# Altium PCB Lancelot.PcbDoc (part 2 of 14)
Units mil, origin at the board's own origin, x right, y up, seen from the top; angles counter-clockwise.
Board outline 4837.61 x 3252.61 mil, 6 copper layers (Top Layer, Mid-Layer 1, Mid-Layer 2, Mid-Layer 3, Mid-Layer 4, Bottom Layer); 372 components, 275 nets, 2062 pads, 1350 vias.
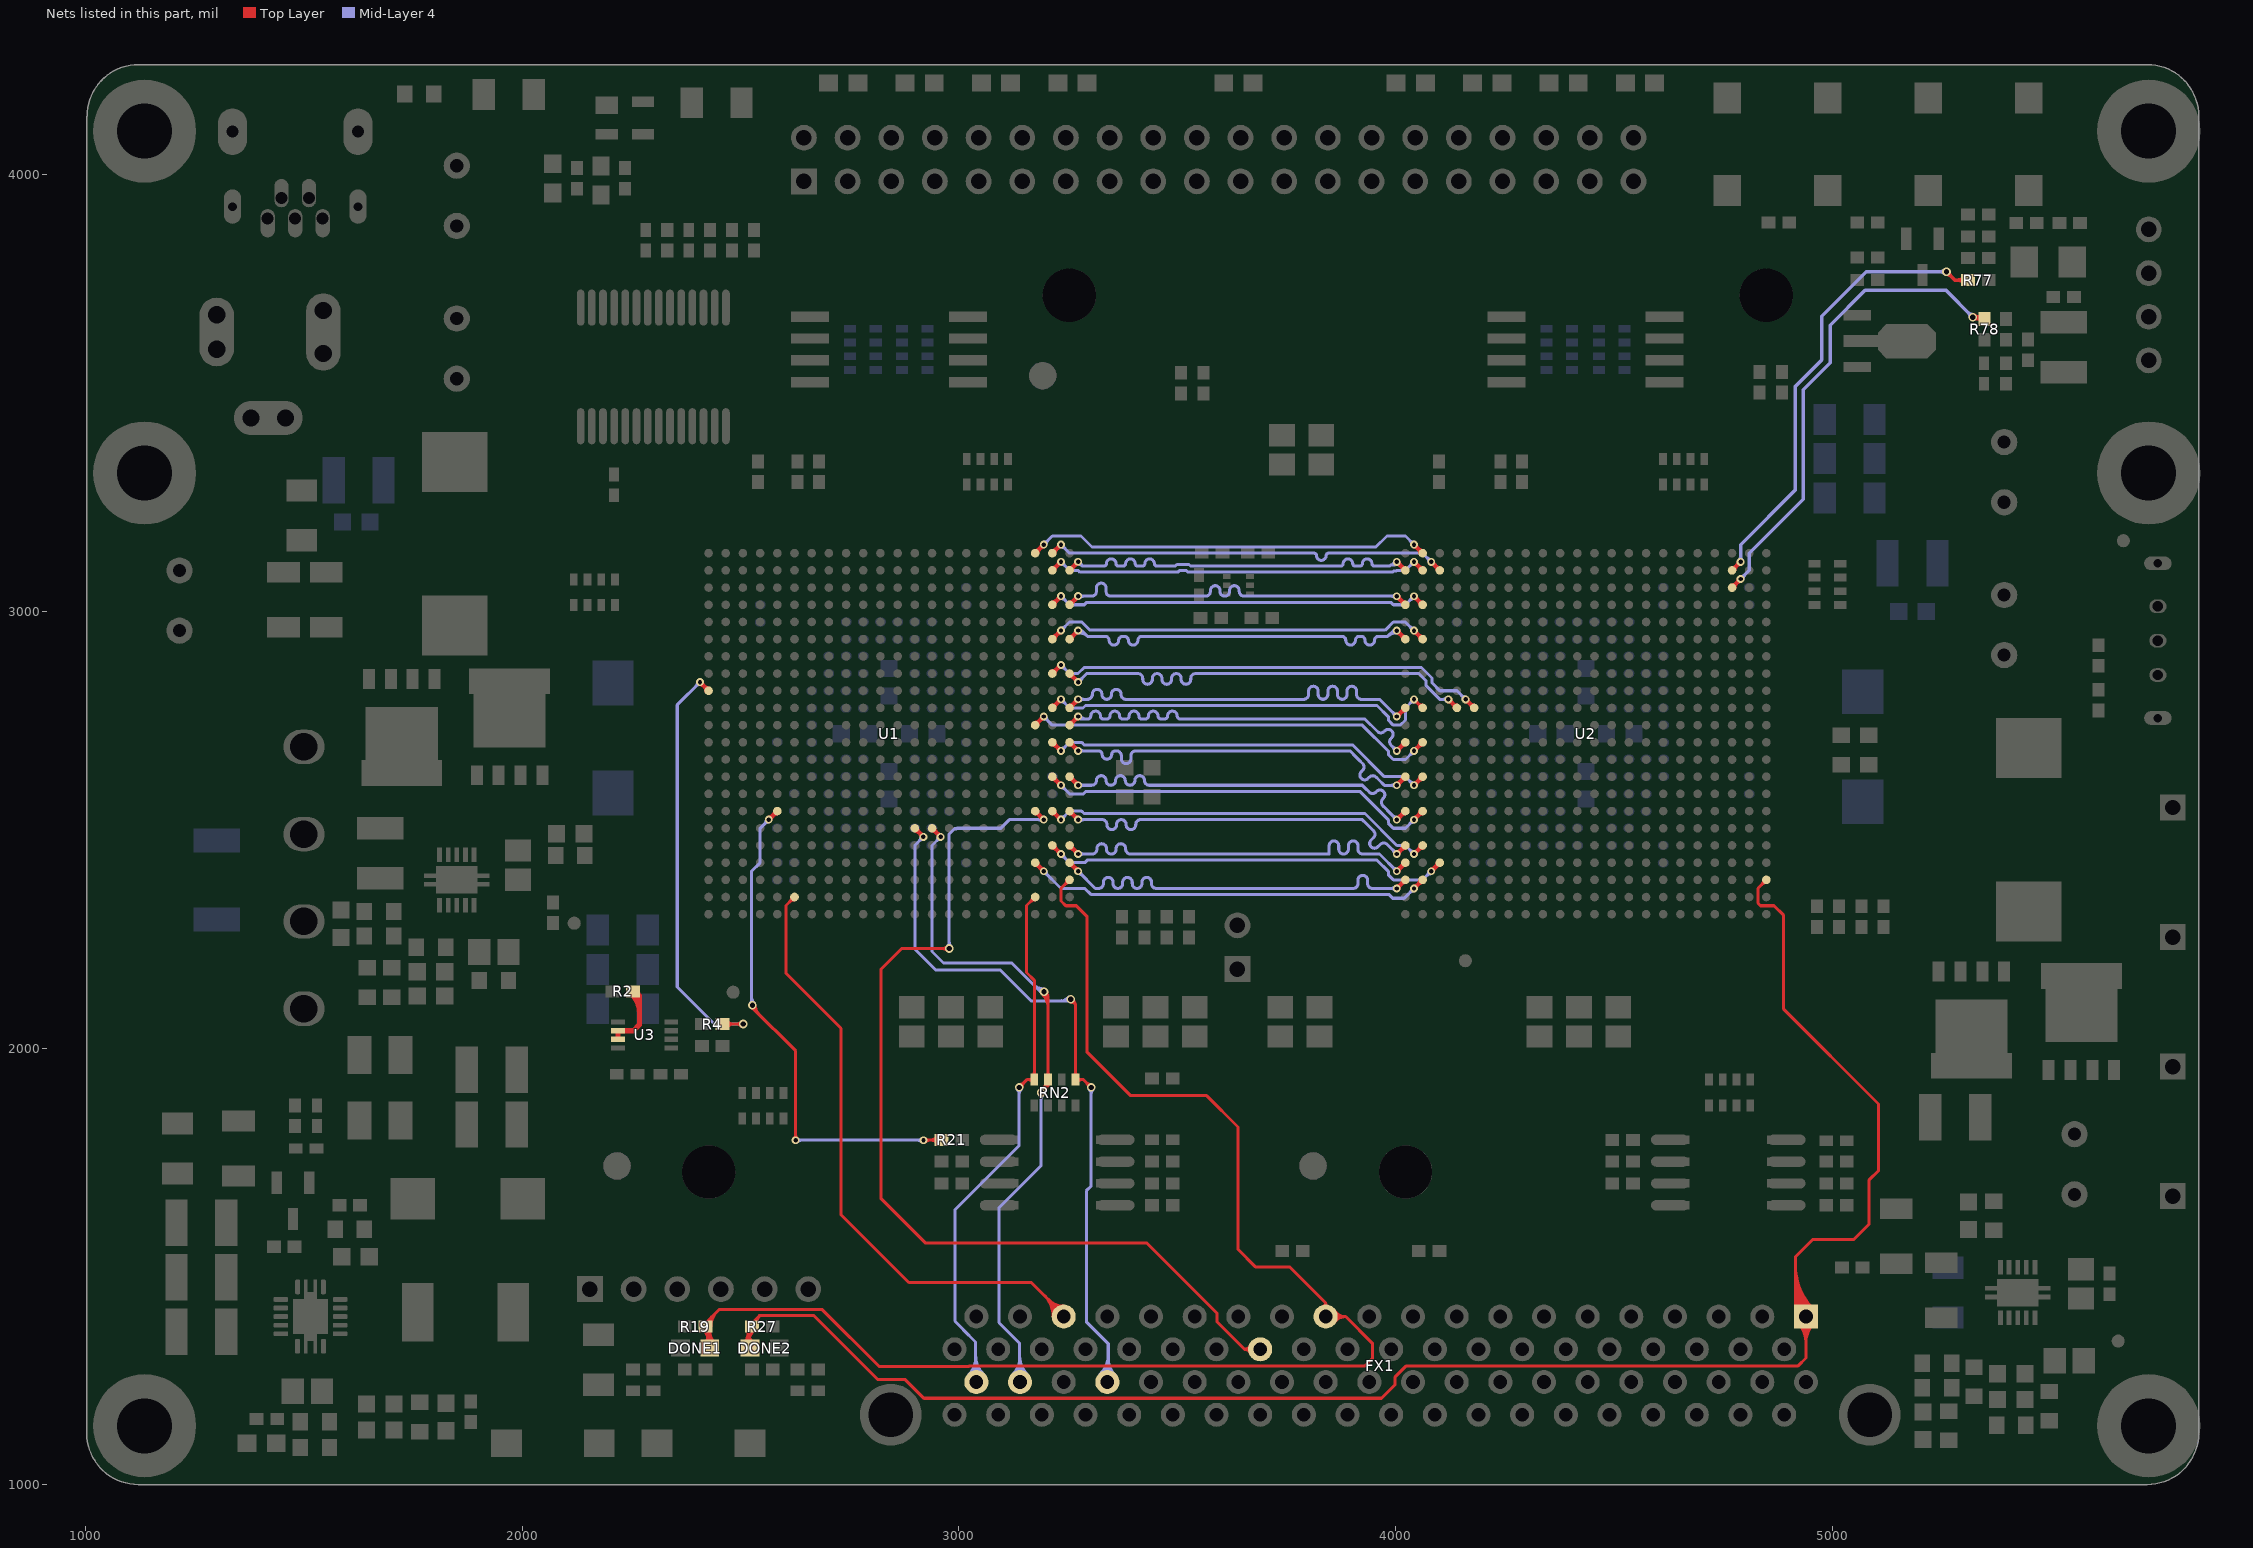
[diagram p6: the nets of this part, all layers, seen from the top]

## Footprints (in the part's own frame and the unit in brackets; to place one, negate y for a bottom-side part, rotate by r counter-clockwise, add the part's x,y. Pads: shape width x height; smd on the part's side, far side on the other; paste and mask are expansions set on the pad) (continued)
VQFN-14 [mm]
  rrect50% 0.85x0.28 smd paste+0.07 mask+0.07: 1(-1.725,-0.75) 7(1.725,-0.75) 8(1.725,0.75) 14(-1.725,0.75)
  rrect50% 0.28x0.85 smd paste+0.07 mask+0.07: 2(-1,-1.725) 3(-0.5,-1.725) 4(0,-1.725) 5(0.5,-1.725) 6(1,-1.725) 9(1,1.725) 10(0.5,1.725) 11(0,1.725) 12(-0.5,1.725) 13(-1,1.725)
  rect 0.725x0.2 smd paste+0.07 mask+0.07: 15(-1.788,-0.275) 15(-1.788,0.275) 15(1.788,-0.275) 15(1.788,0.275)
  rect 2.85x0.749 smd paste+0.05 mask+0.05: 15(0,0)
  rect 2.05x2.05 smd paste+0.07 mask+0.07: 15(0,0)
  silkscreen extent -2.92,-2.92 2.5,2.5
WSOP8 [mm]
  rect 0.5x0.889 smd: 1(-1.905,-2.701) 2(-0.635,-2.701) 3(0.635,-2.701) 4(1.905,-2.701) 5(1.905,2.701) 6(0.635,2.701) 7(-0.635,2.701) 8(-1.905,2.701)
  oval 0.6x2.2 smd: 1(-1.905,-3.4) 2(-0.635,-3.4) 3(0.635,-3.4) 4(1.905,-3.4) 5(1.905,3.4) 6(0.635,3.4) 7(-0.635,3.4) 8(-1.905,3.4)
  Top Layer lines w0.254: 1.905,-2.701 1.905,-2.625 ; 0.635,-2.701 0.635,-2.625 ; -0.635,-2.701 -0.635,-2.625 ; -0.635,2.625 -0.635,2.701 ; -1.905,2.625 -1.905,2.701
  silkscreen extent -3.56,-4.01 2.75,1.9, body extent -2.75,-2.73 2.75,2.73, height 2.13

## Part data
1_IDLE 2_IDLE DONE1 DONE2 HOT PWR_OK RX_1 RX_2 RXD1 TX_1 TX_2 TXD1 VALID VALID: library part LED3, "Typical BLUE SiC LED"
12V: "Low Voltage Power Supply Connector"
BATT1: "Header, 2-Pin"
C1 C2 C3 C4 C5 C6 C7 C8 C9 C11 C12 C13 C16 C17 C18 C19 C20 C21 C22 C24 C25 C26 C29 C30 C31 C32 C33 C34 C35 C36 C37 C38 C39 C40 C41 C42 C43 C44 C45 C46 C47 C48 C49 C50 C51 C52 C53 C54 C55 C56 C57 C58 C60 C61 C62 C63 C64 C65 C67 C68 C69 C70 C71 C72 C73 C74 C75 C76 C77 C78 C79 C80 C81 C82 C83 C84 C85 C86 C87 C88 C89 C90 C91 C92 C93 C94 C95 C96 C97 C98 C99 C100 C101 C102 C103 C104 C105 C106 C107 C108 C109 C110 C111 C112 C113 C114 C115 C116 C117 C118 C119 C120 C121 C122 C123 C124 C125 C126 C127 C128 C129 C130 C131 C132 C133 C134 C136 C137 C138 C139 C140 C141 C142 C143 C144 C145 C146 C147 C148 C149 C150 C151 C152 C153 C154 C155 C156 C157 C158 C159 C160 C161 C162 C163 C164 C165 C166 C167 C168 C169 C170 C181 C182 C183 C184 C185 C186 C187: library part "Cap Semi", "Capacitor (Semiconductor SIM Model)"
C10 C14 C15 C23 C27 C28: library part "Cap Pol1", "Polarized Capacitor (Radial)"
C59 C66 C135: library part "Cap Pol3", "Polarized Capacitor (Surface Mount)"
C171 C177 C178 C180: library part C0603, "Ceramic Chip Capacitor - Standard"
C172 C173 C174 C175 C176: library part C1210, "Ceramic Chip Capacitor - Standard"
C179: library part C0805, "Ceramic Chip Capacitor - Standard"
D1: "High Conductance Fast Diode"
F1 F3: "Fuse"
F2: library part "Fuse 2"
FAN1 P2: "Header, 4-Pin"
FB1 FB2 FB3 FB4 FB5 R1 R2 R3 R4 R5 R6 R7 R8 R9 R10 R11 R12 R13 R14 R15 R16 R17 R18 R19 R20 R21 R22 R23 R24 R25 R26 R27 R28 R29 R30 R31 R32 R33 R34 R35 R36 R37 R38 R39 R40 R41 R42 R43 R44 R45 R46 R47 R48 R49 R50 R51 R52 R53 R54 R55 R56 R57 R58 R59 R60 R61 R62 R63 R64 R65 R66 R67 R68 R69 R70 R71 R72 R73 R74 R75 R76 R77 R78 R79 R80 R81 R82 R83 R84 R85 R86 R87 R88 R89 R90 R91 R92 R93 R94 R95 R96 R97 R98 R99 R100: library part Res3, "Resistor"
JTAG1: "Header, 6-Pin"
L1 L2 L3: library part Inductor, "Inductor"
P1: "Header, 20-Pin, Dual row"
PROG1 PROG2 RST_1 RST_2 SET_1 SET_2: "Switch"
Q1 Q2 Q3 Q4: library part HAT216X
Q5 Q7: library part 2N7002, "N-channel Enhancement Mode Field-effect Transistor"
Q6: library part PNP, "PNP Bipolar Transistor"
RN1 RN2 RN3 RN4 RN5 RN6 RN7 RN8 RN9 RN10 RN11: library part RES4PACK
S1: "SPDT Subminiature Toggle Switch, Right Angle Mounting, Vertical Actuation"
S2 S3: "DIP Switch"
U1 U2: "Spartan-6 LX 1.2V FPGA, 338 User I/Os, 484-Ball Fine-Pitch BGA (1.0mm Pitch), Speed Grade 3N, Commercial Grade"
U11: library part SR05
USB1: "USB On-The-Go (OTG) Mini-B Receptacle, Right Angle, Thru-Hole, 0.80mm (.031\") Pitch, Solder Tails & Shell Tabs with Dimples"
Y1: "Surface Mount Quartz Crystal"

## Free pads (board coordinates)
  round 236.22 hole 125.98: 0(1135,1135) 0(1135,3317) 0(1135,4100) 0(5725,1135) 0(5725,3317) 0(5725,4100)
  round 122.05 hole 122.05: 0(2427,1716) 0(3253,3724) 0(4023,1716) 0(4849,3724)

## Via types
v1: diameter 18, hole 10, Top Layer to Bottom Layer, tented both sides, 625 vias
v2: diameter 20, hole 12, Top Layer to Bottom Layer, tented both sides, 515 vias
v3: diameter 32, hole 18, Top Layer to Bottom Layer, tented both sides, 191 vias
v4: diameter 23.62, hole 11.81, Top Layer to Bottom Layer, tented bottom, 10 vias
v5: diameter 19.68, hole 11.81, Top Layer to Bottom Layer, tented bottom, 4 vias
v6: diameter 118.11, hole 118.11, Top Layer to Bottom Layer, tented bottom, 2 vias
v7: diameter 78.74, hole 78.74, Top Layer to Bottom Layer, tented bottom, 2 vias
v8: diameter 50, hole 28, Top Layer to Bottom Layer, tented both sides, 1 vias

## Nets (pads, with @x,y where several pads share a name; then routed paths per layer and width w, separated by ;. In a path a pad name is that pad's centre, name@x,y a point inside that pad or via, vN(x,y) a via of type N, cw(c..) or ccw(c..) an arc to the next point about the centre after c; other vN are vias at no path point)
CLK: R2.1 U3.6 U3.7 | length 220
  Top Layer w10: R2.1@2251.65,2130 R2.1@2253.62,2130
  Top Layer w12: U3.7@2218.98,2020.16 U3.6@2218.98,2039.84 2254.84,2039.84 2268.62,2053.62 R2.1@2268.62,2120 ; R2.1@2250.09,2124.5 cw(c2205.35,2079.76) 2268.62,2079.76 ; R2.1@2258.57,2132.98 cw(c2234.32,2108.73) 2268.62,2108.73
DONE1: DONE1.1 FX1.23 R19.2 U1.Y22 | length 3656.7
  Top Layer w7: R19.2@2414.32,1354.73 cw(c2377.76,1318.17) DONE1.1@2429.46,1318.17 ; DONE1.1@2418.02,1324.44 ccw(c2390.39,1352.07) 2429.46,1352.07 ccw(c2468.54,1352.07) DONE1.1@2440.91,1324.44 ; DONE1.1@2419.23,1326.92 ccw(c2413.9,1335.9) 2423.99,1338.6 ccw(c2439.13,1342.66) DONE1.1@2433.41,1328.07 ; R19.2@2419.27,1359.68 cw(c2394.66,1335.07) 2429.46,1335.07 ; DONE1.1@2422.97,1319.49 ccw(c2407.29,1335.17) 2429.46,1335.17 ccw(c2451.64,1335.17) DONE1.1@2435.96,1319.49 ; R19.2@2424.87,1362 cw(c2456.85,1362) 2434.24,1384.62 ; DONE1.1@2429.46,1313 2429.46,1352.16 R19.2@2419.62,1362 2419.62,1370 2450.62,1401 2687,1401 2817,1271 3023.47,1271 3024.65,1272.18 3930.18,1272.18 3947,1289 3947,1324 3885.88,1385.12 ; R19.2@2431.87,1362 cw(c2480.75,1362) 2446.19,1396.57 ; U1.Y22@3247.04,2385.35 cw(c3231.73,2385.35) 3242.56,2374.53 cw(c3253.39,2363.7) U1.Y22@3253.39,2379.01 ; U1.Y22@3253.39,2385.35 3234,2365.97 3234,2337 3245,2326 3269,2326 3293,2302 3293,1991.38 3393.38,1891 3567.38,1891 3639,1819.38 3639,1539 3679,1499 3757.18,1499 3840,1416.18 ; FX1.23@3833.99,1408.41 ccw(c3831.98,1416.18) 3840,1416.18 ; FX1.23@3846.01,1408.41 cw(c3848.02,1416.18) 3840,1416.18 ; FX1.23@3854.03,1375.42 cw(c3872.53,1362.63) 3872.53,1385.12 cw(c3872.53,1407.61) FX1.23@3854.03,1394.82 ; FX1.23@3859.79,1371.44 cw(c3885.88,1353.4) 3885.88,1385.12 ; FX1.23@3859.79,1398.8 ccw(c3885.88,1416.83) 3885.88,1385.12 ; 3840,1416.18 FX1.23@3840,1385.12 3885.88,1385.12
DONE2: DONE2.1 FX1.1 R27.2 U2.Y22 | length 4812.5
  Top Layer w7: DONE2.1@2508.12,1324.44 ccw(c2487.81,1344.76) 2516.54,1344.76 ; DONE2.1@2516.54,1313 R27.2@2516.54,1352.16 ; DONE2.1@2516.54,1318.17 cw(c2568.24,1318.17) R27.2@2531.68,1354.73 ; 2516.54,1335.07 cw(c2551.34,1335.07) R27.2@2526.73,1359.68 ; 2516.54,1337.89 ccw(c2538.82,1337.89) DONE2.1@2525.19,1320.27 ; R27.2@2526.38,1362 R27.2@2516.54,1352.16 ; R27.2@2526.38,1370 2544.38,1388 ; DONE2.1@2529.47,1325.8 cw(c2549.85,1352.16) R27.2@2516.54,1352.16 ; R27.2@2531.51,1362.88 cw(c2547.96,1367.44) 2535.89,1379.51 ; R27.2@2538.25,1364.75 cw(c2561.26,1371.12) 2544.38,1388 ; U2.Y22@4843.04,2385.28 cw(c4827.72,2385.28) 4838.55,2374.46 cw(c4849.38,2363.63) U2.Y22@4849.38,2378.94 ; U2.Y22@4849.38,2385.28 4830.04,2365.94 4830.04,2331.96 4836,2326 4867,2326 4889,2304 4889,2089 5106,1872 5106,1719 5084,1697 5084,1596 5050,1562 4956,1562 4915.61,1521.61 4915.61,1409.51 FX1.1@4940,1385.12 4940,1290 4922.18,1272.18 4024.65,1272.18 3998.47,1246 3998.47,1228.47 3968.06,1198.06 2919.71,1198.06 2877.29,1240.48 2814.52,1240.48 2667,1388 2544.38,1388 ; 4915.61,1417.59 ccw(c4972.48,1417.59) FX1.1@4932.26,1377.38 ; 4915.61,1434.49 ccw(c4989.38,1434.49) FX1.1@4937.21,1382.33 ; 4915.61,1451.39 ccw(c5006.28,1451.39) FX1.1@4942.16,1387.28 ; 4915.61,1468.29 ccw(c5023.17,1468.29) FX1.1@4947.11,1392.23 ; 4915.61,1485.19 ccw(c5040.07,1485.19) FX1.1@4952.06,1397.18 ; 4915.61,1502.09 ccw(c5056.97,1502.09) FX1.1@4957.01,1402.13 ; FX1.1@4922.99,1368.11 cw(c4881.92,1327.03) 4940,1327.03 cw(c4998.08,1327.03) FX1.1@4957.01,1368.11 ; FX1.1@4927.94,1373.06 cw(c4898.82,1343.93) 4940,1343.93 cw(c4981.18,1343.93) FX1.1@4952.06,1373.06
FAN_PWM: R77.2 U2.B20 | length 1187.7
  Top Layer w8: v2@5262,3772 cw(c5262,3757.51) 5272.24,3767.76 cw(c5282.49,3778) v2@5268,3778 ; v2(5262,3778) 5281,3759 R77.2@5311.38,3759 ; R77.2@5302.49,3752.08 ccw(c5285.8,3735.39) 5285.8,3759 ccw(c5285.8,3782.61) R77.2@5302.49,3765.92
  Top Layer w10: U2.B20@4770.64,3093.94 v1(4790.32,3113.63) ; U2.B20@4770.64,3098.79 ccw(c4770.64,3110.48) 4778.9,3102.21 ccw(c4787.17,3093.94) U2.B20@4775.48,3093.94 ; v1@4786.32,3113.63 cw(c4776.67,3113.63) 4783.5,3106.8 cw(c4790.32,3099.97) v1@4790.32,3109.63
  Mid-Layer 4 w8: v1@4786.79,3117.17 ccw(c4778.25,3125.7) 4790.32,3125.7 ccw(c4802.39,3125.7) v1@4793.86,3117.17 ; v1(4790.32,3113.63) 4790.32,3153 4916,3278.68 4916,3516 4976,3576 4976,3676 5078,3778 v2(5262,3778) ; v2@5257.76,3773.76 ccw(c5247.51,3763.51) 5247.51,3778 ccw(c5247.51,3792.49) v2@5257.76,3782.24
FAN_SPEED: R78.1 U2.C20 | length 1273.9
  Top Layer w8: v2@5325.24,3668.95 cw(c5331.91,3658.56) 5335.11,3670.49 cw(c5338.3,3682.42) v2@5327.33,3676.75 ; v2@5326.24,3669.76 cw(c5336.49,3659.51) 5336.49,3674 cw(c5336.49,3688.49) v2@5326.24,3678.24 ; v2@5326.71,3677.72 ccw(c5332.88,3682.58) 5334.91,3674.99 ; v2@5331.21,3674 ccw(c5331.21,3689.38) R78.1@5342.08,3678.51 ; R78.1@5341.66,3665.12 ccw(c5322,3647.78) v2(5322,3674) R78.1@5354.43,3674 ; R78.1@5347.43,3674 R78.1@5347.81,3673.62
  Top Layer w10: U2.C20@4770.64,3054.57 v1(4790.32,3074.26) ; U2.C20@4770.64,3059.42 ccw(c4770.64,3071.11) 4778.9,3062.84 ccw(c4787.17,3054.57) U2.C20@4775.48,3054.57 ; v1@4786.32,3074.26 cw(c4776.67,3074.26) 4783.5,3067.43 cw(c4790.32,3060.6) v1@4790.32,3070.26
  Mid-Layer 4 w8: v1(4790.32,3074.26) 4810.01,3093.94 4810.01,3133.32 4934,3257.31 4934,3508 4995.5,3569.5 4995.5,3655.5 5075.23,3735.23 5260.77,3735.23 v2(5322,3674) ; v1@4790.32,3079.26 ccw(c4790.32,3091.33) 4798.86,3082.8 ccw(c4807.39,3074.26) v1@4795.32,3074.26 ; v2@5316,3674 ccw(c5301.51,3674) 5311.76,3684.24 ccw(c5322,3694.49) v2@5322,3680
FPGA1_B1_1_N: U1.B22 U2.B1 | length 1000.8
  Top Layer w10: U1.B22@3253.39,3094.02 v1(3273.07,3113.7) ; U1.B22@3253.39,3098.86 ccw(c3253.39,3110.55) 3261.65,3102.28 ccw(c3269.92,3094.02) U1.B22@3258.23,3094.02 ; v1@3269.07,3113.7 cw(c3259.41,3113.7) 3266.24,3106.87 cw(c3273.07,3100.04) v1@3273.07,3109.7 ; v1@4002.92,3109.63 cw(c4002.92,3099.97) 4009.75,3106.8 cw(c4016.58,3113.63) v1@4006.92,3113.63 ; v1(4002.92,3113.63) U2.B1@4022.61,3093.94 ; U2.B1@4017.76,3093.94 ccw(c4006.07,3093.94) 4014.34,3102.21 ccw(c4022.61,3110.48) U2.B1@4022.61,3098.79
  Mid-Layer 4 w7: v1@3273.07,3108.2 cw(c3273.07,3094.92) 3282.46,3104.31 cw(c3291.85,3113.7) v1@3278.57,3113.7 ; v1(3273.07,3113.7) 3282.77,3104 3293.77,3104 3315.77,3104 3332.39,3104 ccw(c3332.39,3109.39) 3337.77,3109.39 cw(c3348.77,3109.39) 3348.77,3120.39 cw(c3348.77,3109.39) 3359.77,3109.39 ccw(c3365.16,3109.39) 3365.16,3104 3376.39,3104 ccw(c3376.39,3109.39) 3381.77,3109.39 cw(c3392.77,3109.39) 3392.77,3120.39 cw(c3392.77,3109.39) 3403.77,3109.39 ccw(c3409.16,3109.39) 3409.16,3104 3420.39,3104 ccw(c3420.39,3109.39) 3425.77,3109.39 cw(c3436.77,3109.39) 3436.77,3120.39 cw(c3436.77,3109.39) 3447.77,3109.39 ccw(c3453.16,3109.39) 3453.16,3104 3462,3104 3495.62,3104 3499.12,3107.5 3526.88,3107.5 3530.38,3104 3854,3104 3858,3104 3874.61,3104 ccw(c3874.61,3109.39) 3880,3109.39 cw(c3891,3109.39) 3891,3120.39 cw(c3891,3109.39) 3902,3109.39 ccw(c3907.39,3109.39) 3907.39,3104 3918.61,3104 ccw(c3918.61,3109.39) 3924,3109.39 cw(c3935,3109.39) 3935,3120.39 cw(c3935,3109.39) 3946,3109.39 ccw(c3951.39,3109.39) 3951.39,3104 3968,3104 3979,3104 3986.7,3104 3989.46,3106.76 ; 3997.08,3106.76 ccw(c3997.08,3114.13) v1@4004.41,3113.5 ; v1@3997.44,3114.09 cw(c3989.46,3114.77) 3989.46,3106.76 ; v1(4002.92,3113.63) 3996.05,3106.76 3989.46,3106.76
FPGA1_B1_1_P: U1.B21 U2.B2 | length 995.6
  Top Layer w10: U1.B21@3214.02,3094.02 v1(3233.7,3113.7) ; U1.B21@3214.02,3098.86 ccw(c3214.02,3110.55) 3222.28,3102.28 ccw(c3230.55,3094.02) U1.B21@3218.86,3094.02 ; v1@3229.7,3113.7 cw(c3220.04,3113.7) 3226.87,3106.87 cw(c3233.7,3100.04) v1@3233.7,3109.7 ; v1@4042.29,3109.63 cw(c4042.29,3099.97) 4049.12,3106.8 cw(c4055.95,3113.63) v1@4046.29,3113.63 ; v1(4042.29,3113.63) U2.B2@4061.98,3093.94 ; U2.B2@4057.13,3093.94 ccw(c4045.44,3093.94) 4053.71,3102.21 ccw(c4061.98,3110.48) U2.B2@4061.98,3098.79
  Mid-Layer 4 w7: v1@3233.7,3108.2 cw(c3233.7,3094.92) 3243.09,3104.31 cw(c3252.48,3113.7) v1@3239.2,3113.7 ; v1(3233.7,3113.7) 3253.39,3094.02 3272.96,3094.02 3276.97,3090 3501.42,3090 3504.92,3093.5 3521.08,3093.5 3524.58,3090 3992.5,3090 3995.26,3092.76 4001.85,3092.76 4003.22,3094.13 4022.79,3094.13 v1(4042.29,3113.63) ; v1@4036.79,3113.63 cw(c4023.51,3113.63) 4032.9,3104.24 cw(c4042.29,3094.85) v1@4042.29,3108.13
FPGA1_B1_2_N: U1.A21 U2.B3 | length 1047.5
  Top Layer w10: U1.A21@3214.02,3133.39 v1(3233.7,3153.07) ; U1.A21@3214.02,3138.23 ccw(c3214.02,3149.92) 3222.28,3141.65 ccw(c3230.55,3133.39) U1.A21@3218.86,3133.39 ; v1@3229.7,3153.07 cw(c3220.04,3153.07) 3226.87,3146.24 cw(c3233.7,3139.41) v1@3233.7,3149.07 ; v1@4081.66,3109.63 cw(c4081.66,3099.97) 4088.49,3106.8 cw(c4095.32,3113.63) v1@4085.66,3113.63 ; v1(4081.66,3113.63) U2.B3@4101.35,3093.94 ; U2.B3@4096.5,3093.94 ccw(c4084.81,3093.94) 4093.08,3102.21 ccw(c4101.35,3110.48) U2.B3@4101.35,3098.79
  Mid-Layer 4 w7: v1@3233.7,3147.57 cw(c3233.7,3134.3) 3243.09,3143.68 cw(c3252.48,3153.07) v1@3239.2,3153.07 ; v1(3233.7,3153.07) 3253.39,3133.39 3673.19,3133.39 3813.61,3133.39 cw(c3813.61,3128) 3819,3128 ccw(c3830,3128) 3830,3117 ccw(c3830,3128) 3841,3128 cw(c3846.39,3128) 3846.39,3133.39 3852,3133.39 4061.91,3133.39 v1(4081.66,3113.63) ; v1@4076.16,3113.63 ccw(c4062.88,3113.63) 4072.27,3123.02 ccw(c4081.66,3132.41) v1@4081.66,3119.13
FPGA1_B1_2_P: U1.A20 U2.A2 | length 1049.7
  Top Layer w10: U1.A20@3174.65,3133.39 v1(3194.33,3153.07) ; U1.A20@3174.65,3138.23 ccw(c3174.65,3149.92) 3182.91,3141.65 ccw(c3191.18,3133.39) U1.A20@3179.49,3133.39 ; v1@3190.33,3153.07 cw(c3180.67,3153.07) 3187.5,3146.24 cw(c3194.33,3139.41) v1@3194.33,3149.07 ; v1@4042.29,3149 cw(c4042.29,3139.34) 4049.12,3146.17 cw(c4055.95,3153) v1@4046.29,3153 ; v1(4042.29,3153) U2.A2@4061.98,3133.32 ; U2.A2@4057.13,3133.32 ccw(c4045.44,3133.32) 4053.71,3141.58 ccw(c4061.98,3149.85) U2.A2@4061.98,3138.16
  Mid-Layer 4 w7: v1(3194.33,3153.07) 3214.02,3172.76 3214.2,3172.57 3279.73,3172.57 3304.92,3147.39 3955,3147.39 3980.3,3172.69 4022.61,3172.69 v1(4042.29,3153) ; v1@3194.33,3158.57 ccw(c3194.33,3171.85) 3203.72,3162.46 ccw(c3213.11,3153.07) v1@3199.83,3153.07 ; v1@4036.79,3153 ccw(c4023.51,3153) 4032.9,3162.39 ccw(c4042.29,3171.78) v1@4042.29,3158.5
FPGA1_B1_3_N: U1.D22 U2.D1 | length 993.8
  Top Layer w10: U1.D22@3253.39,3015.28 v1(3273.07,3034.96) ; U1.D22@3253.39,3020.12 ccw(c3253.39,3031.81) 3261.65,3023.54 ccw(c3269.92,3015.28) U1.D22@3258.23,3015.28 ; v1@3269.07,3034.96 cw(c3259.41,3034.96) 3266.24,3028.13 cw(c3273.07,3021.3) v1@3273.07,3030.96 ; v1@4002.92,3030.89 cw(c4002.92,3021.23) 4009.75,3028.06 cw(c4016.58,3034.89) v1@4006.92,3034.89 ; v1(4002.92,3034.89) U2.D1@4022.61,3015.2 ; U2.D1@4017.76,3015.2 ccw(c4006.07,3015.2) 4014.34,3023.47 ccw(c4022.61,3031.74) U2.D1@4022.61,3020.05
  Mid-Layer 4 w7: v1(3273.07,3034.96) 3304,3034.96 ccw(c3304,3045.96) 3315,3045.96 3315,3053.96 cw(c3326,3053.96) 3326,3064.96 cw(c3326,3053.96) 3337,3053.96 3337,3045.96 ccw(c3348,3045.96) 3348,3034.96 3359,3034.96 3371,3034.96 3500,3034.96 3565,3034.96 ccw(c3565,3045.96) 3576,3045.96 3576,3048.01 cw(c3587,3048.01) 3587,3059.01 cw(c3587,3048.01) 3598,3048.01 3598,3045.96 ccw(c3609,3045.96) 3609,3034.96 ccw(c3609,3045.96) 3620,3045.96 3620,3048.01 cw(c3631,3048.01) 3631,3059.01 cw(c3631,3048.01) 3642,3048.01 3642,3045.96 ccw(c3653,3045.96) 3653,3034.96 3664,3034.96 3675,3034.96 v1@4002.85,3034.96 ; v1@3276.96,3031.07 cw(c3286.35,3021.68) 3286.35,3034.96 cw(c3286.35,3048.24) v1@3276.96,3038.85 ; 3989.47,3034.96 cw(c3989.47,3021.44) v1@3999.03,3031 ; 3989.81,3034.96 ccw(c3989.81,3048) v1@3999.03,3038.78
FPGA1_B1_3_P: U1.D21 U2.D2 | length 993.9
  Top Layer w10: U1.D21@3214.02,3015.28 v1(3233.7,3034.96) ; U1.D21@3214.02,3020.12 ccw(c3214.02,3031.81) 3222.28,3023.54 ccw(c3230.55,3015.28) U1.D21@3218.86,3015.28 ; v1@3229.7,3034.96 cw(c3220.04,3034.96) 3226.87,3028.13 cw(c3233.7,3021.3) v1@3233.7,3030.96 ; v1@4042.29,3030.89 cw(c4042.29,3021.23) 4049.12,3028.06 cw(c4055.95,3034.89) v1@4046.29,3034.89 ; v1(4042.29,3034.89) U2.D2@4061.98,3015.2 ; U2.D2@4057.13,3015.2 ccw(c4045.44,3015.2) 4053.71,3023.47 ccw(c4061.98,3031.74) U2.D2@4061.98,3020.05
  Mid-Layer 4 w7: v1@3233.7,3029.46 cw(c3233.7,3016.18) 3243.09,3025.57 cw(c3252.48,3034.96) v1@3239.2,3034.96 ; v1(3233.7,3034.96) 3253.39,3015.28 3287.07,3015.28 3292.76,3020.96 3989.27,3020.96 3994.84,3015.39 4022.79,3015.39 v1(4042.29,3034.89) ; v1@4036.79,3034.89 cw(c4023.51,3034.89) 4032.9,3025.5 cw(c4042.29,3016.11) v1@4042.29,3029.39
FPGA1_B1_4_N: U1.F22 U2.F1 | length 1023.5
  Top Layer w10: U1.F22@3253.39,2936.54 v1(3273.07,2956.22) ; U1.F22@3253.39,2941.38 ccw(c3253.39,2953.07) 3261.65,2944.8 ccw(c3269.92,2936.54) U1.F22@3258.23,2936.54 ; v1@3269.07,2956.22 cw(c3259.41,2956.22) 3266.24,2949.39 cw(c3273.07,2942.56) v1@3273.07,2952.22 ; v1@4002.92,2952.15 cw(c4002.92,2942.49) 4009.75,2949.32 cw(c4016.58,2956.15) v1@4006.92,2956.15 ; v1(4002.92,2956.15) U2.F1@4022.61,2936.46 ; U2.F1@4017.76,2936.46 ccw(c4006.07,2936.46) 4014.34,2944.73 ccw(c4022.61,2953) U2.F1@4022.61,2941.31
  Mid-Layer 4 w7: v1@3272.96,2957.72 cw(c3274.01,2944.1) 3283.66,2953.76 ; v1(3273.07,2956.22) 3281.2,2956.22 3294.42,2943 ; v1@3273.5,2950.74 cw(c3275.55,2924.13) 3294.42,2943 ; 3992.84,2953.84 cw(c4002.1,2944.58) v1@4003.03,2957.65 ; v1@4002.53,2950.66 ccw(c4000.66,2924.34) 3981.99,2943 ; v1(4002.92,2956.15) 4002.85,2956.22 3995.21,2956.22 3981.99,2943 ; 3294.42,2943 3311,2943 3322,2943 3335,2943 cw(c3335,2934) 3344,2934 ccw(c3355,2934) 3355,2923 ccw(c3355,2934) 3366,2934 cw(c3375,2934) 3375,2943 3379,2943 cw(c3379,2934) 3388,2934 ccw(c3399,2934) 3399,2923 ccw(c3399,2934) 3410,2934 cw(c3419,2934) 3419,2943 3432,2943 3451,2943 3847,2943 3864,2943 3877,2943 cw(c3877,2934) 3886,2934 ccw(c3897,2934) 3897,2923 ccw(c3897,2934) 3908,2934 cw(c3917,2934) 3917,2943 3921,2943 cw(c3921,2934) 3930,2934 ccw(c3941,2934) 3941,2923 ccw(c3941,2934) 3952,2934 cw(c3961,2934) 3961,2943 3963,2943 3981.99,2943
FPGA1_B1_4_P: U1.F21 U2.F2 | length 1004.8
  Top Layer w10: U1.F21@3214.02,2936.54 v1(3233.7,2956.22) ; U1.F21@3214.02,2941.38 ccw(c3214.02,2953.07) 3222.28,2944.8 ccw(c3230.55,2936.54) U1.F21@3218.86,2936.54 ; v1@3229.7,2956.22 cw(c3220.04,2956.22) 3226.87,2949.39 cw(c3233.7,2942.56) v1@3233.7,2952.22 ; v1@4042.29,2952.15 cw(c4042.29,2942.49) 4049.12,2949.32 cw(c4055.95,2956.15) v1@4046.29,2956.15 ; v1(4042.29,2956.15) U2.F2@4061.98,2936.46 ; U2.F2@4057.13,2936.46 ccw(c4045.44,2936.46) 4053.71,2944.73 ccw(c4061.98,2953) U2.F2@4061.98,2941.31
  Mid-Layer 4 w7: v1(3233.7,2956.22) 3253.39,2975.91 3281.32,2975.91 3300.22,2957 3976.19,2957 3994.84,2975.65 4022.42,2975.65 4041.92,2956.15 v1(4042.29,2956.15) ; v1@3233.7,2961.72 ccw(c3233.7,2975) 3243.09,2965.61 ccw(c3252.48,2956.22) v1@3239.2,2956.22 ; 4032.27,2965.8 ccw(c4042.29,2975.82) v1@4042.29,2961.65 ; 4033.16,2964.91 cw(c4024.4,2956.15) v1@4036.79,2956.15
FPGA1_B1_5_N: U1.H22 U2.K4 | length 1141.8
  Top Layer w10: U1.H22@3253.39,2852.95 cw(c3253.39,2841.26) 3261.65,2849.53 cw(c3269.92,2857.8) U1.H22@3258.23,2857.8 ; U1.H22@3253.39,2857.8 v1(3273.07,2838.11) ; v1@3269.07,2838.11 ccw(c3259.41,2838.11) 3266.24,2844.94 ccw(c3273.07,2851.77) v1@3273.07,2842.11 ; v1@4121.03,2794.67 cw(c4121.03,2785.01) 4127.86,2791.84 cw(c4134.69,2798.67) v1@4125.03,2798.67 ; v1(4121.03,2798.67) U2.K4@4140.72,2778.98 ; U2.K4@4135.87,2778.98 ccw(c4124.18,2778.98) 4132.45,2787.25 ccw(c4140.72,2795.52) U2.K4@4140.72,2783.83
  Mid-Layer 4 w7: v1(3273.07,2838.11) 3292.69,2857.72 ; v1@3273.07,2843.61 ccw(c3273.07,2856.89) 3282.46,2847.5 ccw(c3291.85,2838.11) v1@3278.57,2838.11 ; 3292.83,2857.72 3388,2857.72 3399,2857.72 3410,2857.72 cw(c3410,2846.72) 3421,2846.72 3421,2844.22 ccw(c3432,2844.22) 3432,2833.22 ccw(c3432,2844.22) 3443,2844.22 3443,2846.72 cw(c3454,2846.72) 3454,2857.72 cw(c3454,2846.72) 3465,2846.72 3465,2844.22 ccw(c3476,2844.22) 3476,2833.22 ccw(c3476,2844.22) 3487,2844.22 3487,2846.72 cw(c3498,2846.72) 3498,2857.72 cw(c3498,2846.72) 3509,2846.72 3509,2844.22 ccw(c3520,2844.22) 3520,2833.22 ccw(c3520,2844.22) 3531,2844.22 3531,2846.72 cw(c3542,2846.72) 3542,2857.72 3688,2857.72 4053.48,2857.72 4069.35,2841.85 4069.35,2830.65 4101.33,2798.67 v1(4121.03,2798.67) ; v1@4117.14,2794.78 ccw(c4107.75,2785.39) 4107.75,2798.67 ccw(c4107.75,2811.95) v1@4117.14,2802.56